# KiCad board board_delta.kicad_pcb
title: VST104 Board Sierra; date: 2020-08-12; rev: v1.1; company: VisionSpace Technologies; note: Single MCU on-board computer
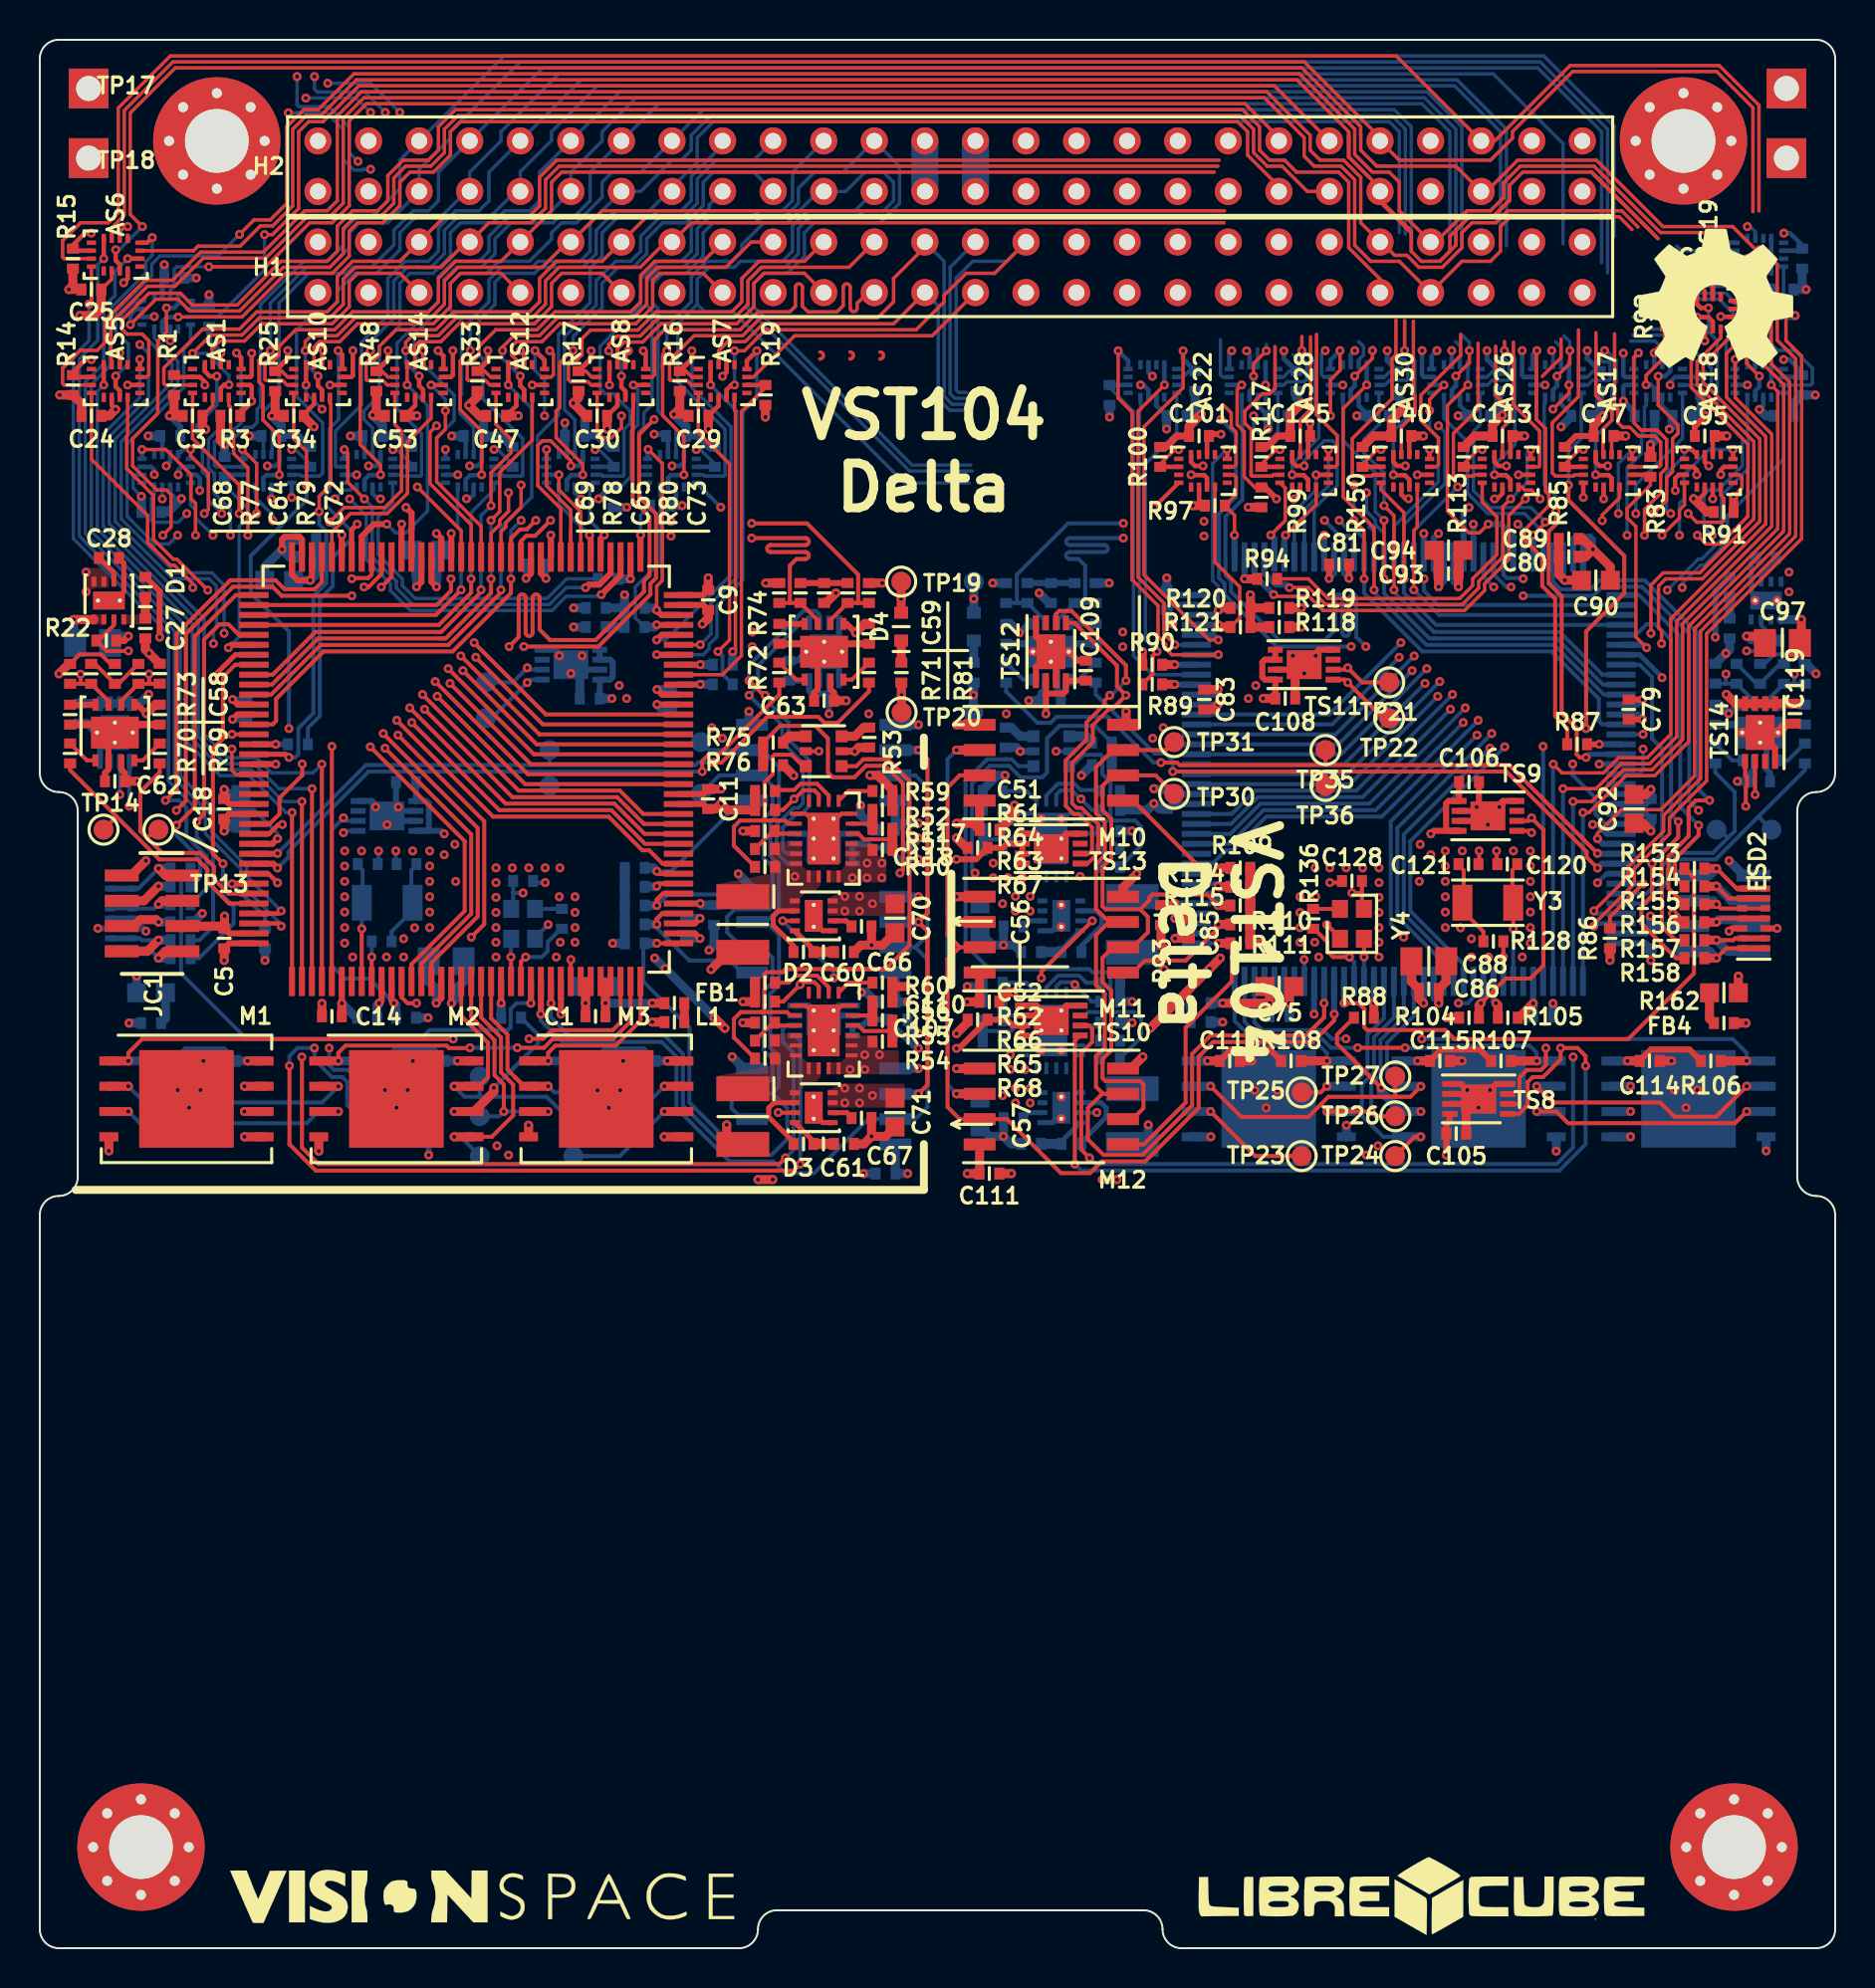
[diagram p0: board, top side]
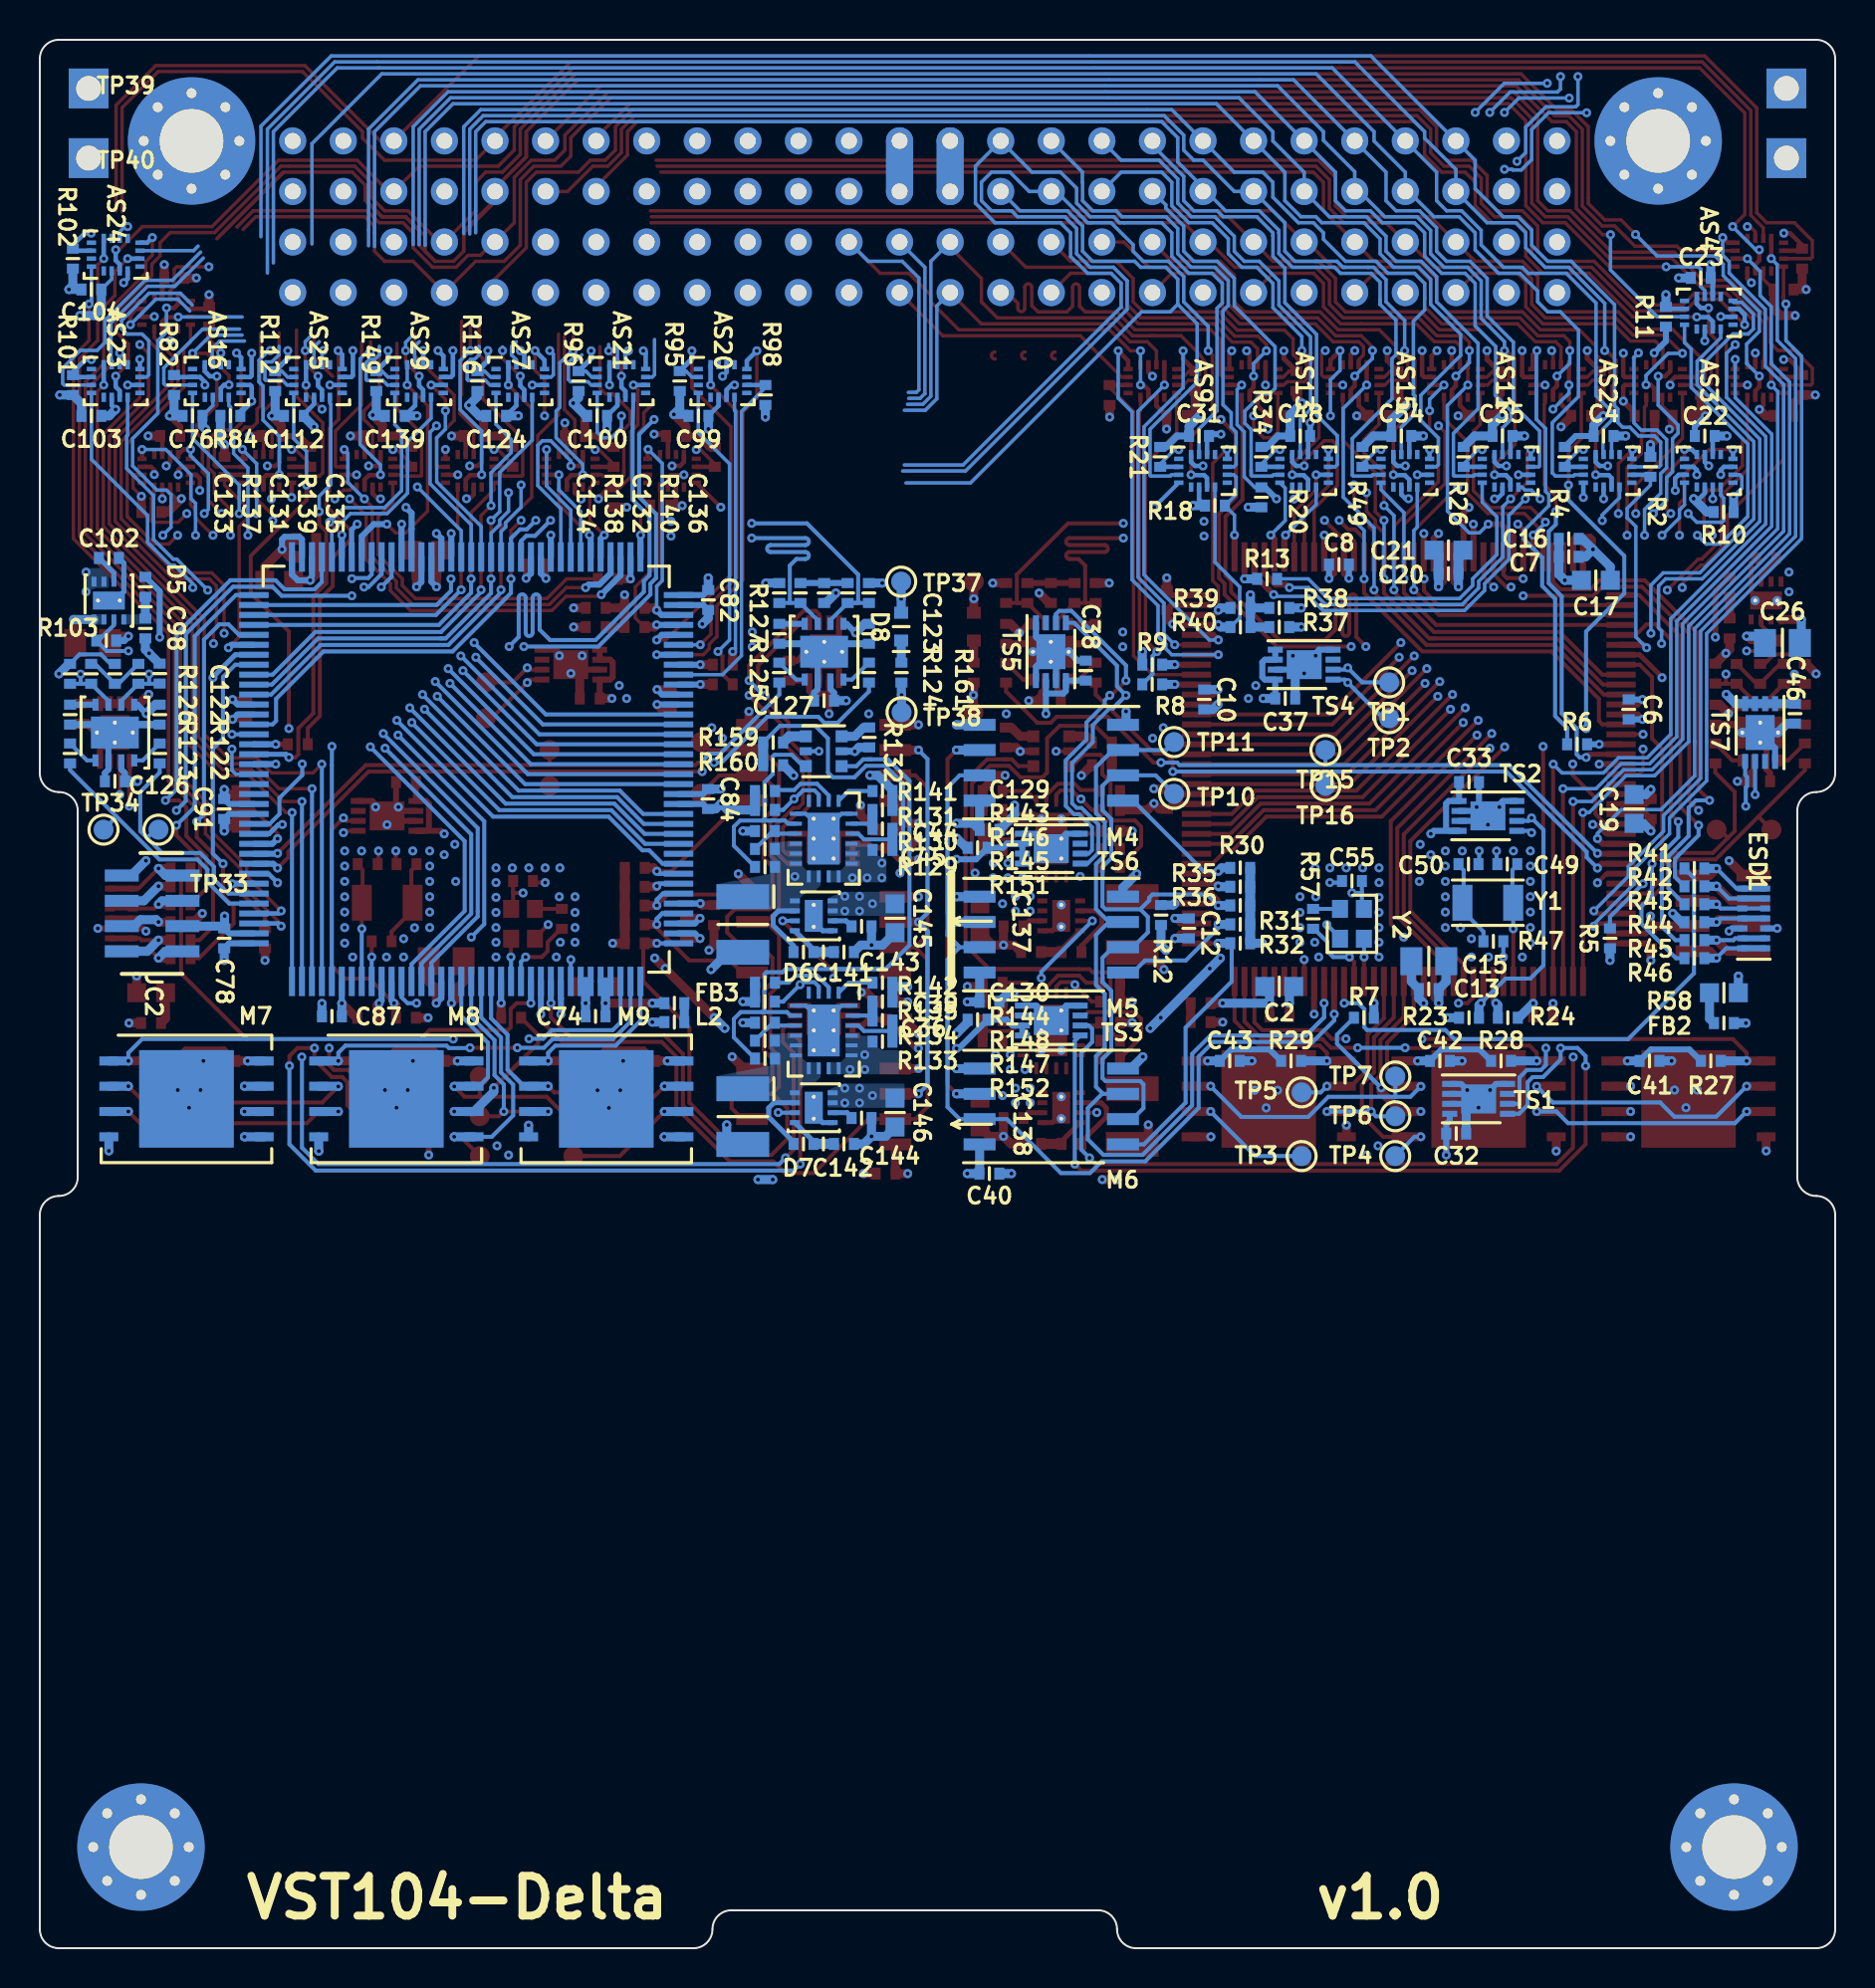
[diagram p1: board, bottom side, seen from below]

Outline 90.17 x 95.89 mm; copper layers: Top, In1.Cu (plane), In2.Cu, In3.Cu (plane), In4.Cu (plane), Bottom. Coordinates in mm from the lower left corner of the outline.
Outline path: 0,94.93 0,59.04 arc(0.28,58.37) 0.95,58.09 arc(1.63,57.81) 1.91,57.14 1.91,38.75 arc(1.63,38.07) 0.95,37.8 arc(0.28,37.52) 0,36.84 0,0.95 arc(0.28,0.28) 0.95,0 35.12,0 arc(35.79,0.28) 36.07,0.95 arc(36.35,1.63) 37.02,1.91 55.44,1.91 arc(56.11,1.63) 56.39,0.95 arc(56.67,0.28) 57.34,0 89.22,0 arc(89.89,0.28) 90.17,0.95 90.17,36.84 arc(89.89,37.52) 89.22,37.8 arc(88.54,38.07) 88.27,38.75 88.27,57.14 arc(88.54,57.81) 89.22,58.09 arc(89.89,58.37) 90.17,59.04 90.17,94.93 arc(89.89,95.61) 89.22,95.89 0.95,95.89 arc(0.28,95.61) 0,94.93

## Placement (name value [footprint] x y rotation side)
AS1  DGQ2788A  [mini_QFN-16-1.8x2.6mm]  8.89 78.74 270 top
AS2  DGQ2788A  [mini_QFN-16-1.8x2.6mm]  11.43 74.23 90 bottom
AS3  DGQ2788A  [mini_QFN-16-1.8x2.6mm]  6.35 74.23 90 bottom
AS4  DGQ2788A  [mini_QFN-16-1.8x2.6mm]  6.35 82.17 90 bottom
AS5  DGQ2788A  [mini_QFN-16-1.8x2.6mm]  3.81 78.74 270 top
AS6  DGQ2788A  [mini_QFN-16-1.8x2.6mm]  3.81 85.09 270 top
AS7  DGQ2788A  [mini_QFN-16-1.8x2.6mm]  34.29 78.74 270 top
AS8  DGQ2788A  [mini_QFN-16-1.8x2.6mm]  29.21 78.74 270 top
AS9  DGQ2788A  [mini_QFN-16-1.8x2.6mm]  31.75 74.23 90 bottom
AS10  DGQ2788A  [mini_QFN-16-1.8x2.6mm]  13.97 78.74 270 top
AS11  DGQ2788A  [mini_QFN-16-1.8x2.6mm]  16.51 74.23 90 bottom
AS12  DGQ2788A  [mini_QFN-16-1.8x2.6mm]  24.13 78.74 270 top
AS13  DGQ2788A  [mini_QFN-16-1.8x2.6mm]  26.67 74.23 90 bottom
AS14  DGQ2788A  [mini_QFN-16-1.8x2.6mm]  19.05 78.74 270 top
AS15  DGQ2788A  [mini_QFN-16-1.8x2.6mm]  21.59 74.23 90 bottom
AS16  DGQ2788A  [mini_QFN-16-1.8x2.6mm]  81.28 78.74 270 bottom
AS17  DGQ2788A  [mini_QFN-16-1.8x2.6mm]  78.74 74.23 90 top
AS18  DGQ2788A  [mini_QFN-16-1.8x2.6mm]  83.82 74.23 90 top
AS19  DGQ2788A  [mini_QFN-16-1.8x2.6mm]  83.82 82.17 90 top
AS20  DGQ2788A  [mini_QFN-16-1.8x2.6mm]  55.88 78.74 270 bottom
AS21  DGQ2788A  [mini_QFN-16-1.8x2.6mm]  60.96 78.74 270 bottom
AS22  DGQ2788A  [mini_QFN-16-1.8x2.6mm]  58.42 74.23 90 top
AS23  DGQ2788A  [mini_QFN-16-1.8x2.6mm]  86.36 78.74 270 bottom
AS24  DGQ2788A  [mini_QFN-16-1.8x2.6mm]  86.36 85.09 270 bottom
AS25  DGQ2788A  [mini_QFN-16-1.8x2.6mm]  76.2 78.74 270 bottom
AS26  DGQ2788A  [mini_QFN-16-1.8x2.6mm]  73.66 74.23 90 top
AS27  DGQ2788A  [mini_QFN-16-1.8x2.6mm]  66.04 78.74 270 bottom
AS28  DGQ2788A  [mini_QFN-16-1.8x2.6mm]  63.5 74.23 90 top
AS29  DGQ2788A  [mini_QFN-16-1.8x2.6mm]  71.12 78.74 270 bottom
AS30  DGQ2788A  [mini_QFN-16-1.8x2.6mm]  68.58 74.23 90 top
C1  100n  [C_SMD_0402]  27.91 46.82 0 top
C2  1u  [C_SMD_0603]  27.92 48.32 0 bottom
C3  10n  [C_SMD_0402]  7.67 76.99 0 top
C4  10n  [C_SMD_0402]  11.63 75.98 180 bottom
C5  100n  [C_SMD_0402]  9.26 50.74 270 top
C6  100n  [C_SMD_0402]  10.37 62.24 270 bottom
C7  100n  [C_SMD_0402]  13.38 69.91 0 bottom
C8  100n  [C_SMD_0402]  24.92 69.52 180 bottom
C9  100n  [C_SMD_0402]  33.57 67.74 90 top
C10  100n  [C_SMD_0402]  31.69 62.74 90 bottom
C11  100n  [C_SMD_0402]  33.56 57.74 90 top
C12  100n  [C_SMD_0402]  32.46 51.24 90 bottom
C13  100n  [C_SMD_0402]  20.41 48.19 0 bottom
C14  100n  [C_SMD_0402]  14.67 46.82 0 top
C15  10u  [C_SMD_0805]  20.41 49.59 180 bottom
C16  100n  [C_SMD_0402]  13.38 70.81 0 bottom
C17  1u  [C_SMD_0603]  12.02 68.73 0 bottom
C18  100n  [C_SMD_0402]  9.26 57.24 270 top
C19  4u7  [C_SMD_0603]  10.1 57.24 270 bottom
C20  100n  [C_SMD_0402]  19.42 69.06 180 bottom
C21  4u7  [C_SMD_0603]  19.42 70.24 180 bottom
C22  10n  [C_SMD_0402]  6.55 75.98 180 bottom
C23  10n  [C_SMD_0402]  6.75 83.92 180 bottom
C24  10n  [C_SMD_0402]  2.59 76.99 0 top
C25  10n  [C_SMD_0402]  2.59 83.34 0 top
C26  10u  [C_SMD_0805]  2.65 65.58 180 bottom
C27  100n  [C_SMD_0402]  5.3 66.31 270 top
C28  1n  [C_SMD_0402]  3.47 69.85 0 top
C29  10n  [C_SMD_0402]  33.08 76.99 0 top
C30  10n  [C_SMD_0402]  27.99 76.99 0 top
C31  10n  [C_SMD_0402]  31.95 75.98 180 bottom
C32  100n  [C_SMD_0402]  19.03 40.93 180 bottom
C33  100n  [C_SMD_0402]  18.39 58.59 180 bottom
C34  10n  [C_SMD_0402]  12.76 76.99 0 top
C35  10n  [C_SMD_0402]  16.71 75.98 180 bottom
C36  100n  [C_SMD_0402]  43.07 46.65 0 bottom
C37  100n  [C_SMD_0402]  27.62 62.79 0 bottom
C38  100n  [C_SMD_0402]  37.64 64.19 90 bottom
C39  100n  [C_SMD_0402]  42.48 47.55 180 bottom
C40  100n  [C_SMD_0402]  42.48 38.92 180 bottom
C41  100n  [C_SMD_0402]  9.33 44.58 180 bottom
C42  100n  [C_SMD_0402]  19.85 44.58 180 bottom
C43  100n  [C_SMD_0402]  30.41 44.58 180 bottom
C44  100n  [C_SMD_0402]  42.47 56.19 180 bottom
C45  100n  [C_SMD_0402]  43.07 55.29 0 bottom
C46  100n  [C_SMD_0402]  2.02 62.03 270 bottom
C47  10n  [C_SMD_0402]  22.92 76.99 0 top
C48  10n  [C_SMD_0402]  26.87 75.98 180 bottom
C49  17p  [C_SMD_0402]  16.47 54.47 0 bottom
C50  17p  [C_SMD_0402]  18.42 54.47 0 bottom
C51  22n  [C_SMD_0402]  36.42 58.14 180 top
C52  15n  [C_SMD_0402]  36.42 48.51 180 top
C53  10n  [C_SMD_0402]  17.83 76.99 0 top
C54  10n  [C_SMD_0402]  21.79 75.98 180 bottom
C55  100n  [C_SMD_0402]  24.27 53.62 180 bottom
C56  100u  [C_SMD_1210]  35.31 51.44 270 top
C57  100u  [C_SMD_1210]  35.31 41.78 270 top
C58  100n  [C_SMD_0402]  6.02 61.98 90 top
C59  100n  [C_SMD_0402]  41.64 66.04 90 top
C60  100n  [C_SMD_0402]  40.39 50.05 0 top
C61  100n  [C_SMD_0402]  40.39 40.41 0 top
C62  100n  [C_SMD_0402]  3.77 58.63 0 top
C63  100n  [C_SMD_0402]  39.39 62.68 0 top
C64  4n7  [C_SMD_0402]  3.77 64.03 270 top
C65  4n7  [C_SMD_0402]  39.39 68.09 90 top
C66  1n  [C_SMD_0402]  41.27 51.34 0 top
C67  1n  [C_SMD_0402]  41.27 41.71 0 top
C68  100p  [C_SMD_0402]  1.52 64.03 270 top
C69  100p  [C_SMD_0402]  37.14 68.09 270 top
C70  1u  [C_SMD_0603]  42.95 51.75 90 top
C71  1u  [C_SMD_0603]  42.95 41.98 90 top
C72  100p  [C_SMD_0402]  6.02 64.04 270 top
C73  100p  [C_SMD_0402]  41.64 68.09 270 top
C74  100n  [C_SMD_0402]  62.26 46.82 180 bottom
C75  1u  [C_SMD_0603]  62.25 48.32 180 top
C76  10n  [C_SMD_0402]  82.5 76.99 180 bottom
C77  10n  [C_SMD_0402]  78.54 75.98 0 top
C78  100n  [C_SMD_0402]  80.91 50.74 270 bottom
C79  100n  [C_SMD_0402]  79.8 62.24 270 top
C80  100n  [C_SMD_0402]  76.79 69.91 180 top
C81  100n  [C_SMD_0402]  65.25 69.52 0 top
C82  100n  [C_SMD_0402]  56.6 67.74 90 bottom
C83  100n  [C_SMD_0402]  58.48 62.74 90 top
C84  100n  [C_SMD_0402]  56.61 57.74 90 bottom
C85  100n  [C_SMD_0402]  57.71 51.24 90 top
C86  100n  [C_SMD_0402]  69.76 48.19 180 top
C87  100n  [C_SMD_0402]  75.5 46.82 180 bottom
C88  10u  [C_SMD_0805]  69.76 49.59 0 top
C89  100n  [C_SMD_0402]  76.79 70.81 180 top
C90  1u  [C_SMD_0603]  78.15 68.73 180 top
C91  100n  [C_SMD_0402]  80.91 57.24 270 bottom
C92  4u7  [C_SMD_0603]  80.07 57.24 270 top
C93  100n  [C_SMD_0402]  70.75 69.06 0 top
C94  4u7  [C_SMD_0603]  70.75 70.24 0 top
C95  10n  [C_SMD_0402]  83.62 75.98 0 top
C96  10n  [C_SMD_0402]  83.42 83.92 0 top
C97  10u  [C_SMD_0805]  87.52 65.58 0 top
C98  100n  [C_SMD_0402]  84.87 66.31 270 bottom
C99  10n  [C_SMD_0402]  57.09 76.99 180 bottom
C100  10n  [C_SMD_0402]  62.18 76.99 180 bottom
C101  10n  [C_SMD_0402]  58.22 75.98 0 top
C102  1n  [C_SMD_0402]  86.7 69.85 180 bottom
C103  10n  [C_SMD_0402]  87.58 76.99 180 bottom
C104  10n  [C_SMD_0402]  87.58 83.34 180 bottom
C105  100n  [C_SMD_0402]  71.14 40.93 0 top
C106  100n  [C_SMD_0402]  71.78 58.59 0 top
C107  100n  [C_SMD_0402]  47.1 46.65 180 top
C108  100n  [C_SMD_0402]  62.55 62.79 180 top
C109  100n  [C_SMD_0402]  52.53 64.19 90 top
C110  100n  [C_SMD_0402]  47.69 47.55 0 top
C111  100n  [C_SMD_0402]  47.69 38.92 0 top
C112  10n  [C_SMD_0402]  77.41 76.99 180 bottom
C113  10n  [C_SMD_0402]  73.46 75.98 0 top
C114  100n  [C_SMD_0402]  80.84 44.58 0 top
C115  100n  [C_SMD_0402]  70.32 44.58 0 top
C116  100n  [C_SMD_0402]  59.76 44.58 0 top
C117  100n  [C_SMD_0402]  47.7 56.19 0 top
C118  100n  [C_SMD_0402]  47.1 55.29 180 top
C119  100n  [C_SMD_0402]  88.15 62.03 270 top
C120  17p  [C_SMD_0402]  73.7 54.47 180 top
C121  17p  [C_SMD_0402]  71.75 54.47 180 top
C122  100n  [C_SMD_0402]  84.15 61.98 90 bottom
C123  100n  [C_SMD_0402]  48.53 66.04 90 bottom
C124  10n  [C_SMD_0402]  67.25 76.99 180 bottom
C125  10n  [C_SMD_0402]  63.3 75.98 0 top
C126  100n  [C_SMD_0402]  86.4 58.63 180 bottom
C127  100n  [C_SMD_0402]  50.78 62.68 180 bottom
C128  100n  [C_SMD_0402]  65.9 53.62 0 top
C129  22n  [C_SMD_0402]  53.75 58.14 0 bottom
C130  15n  [C_SMD_0402]  53.75 48.51 0 bottom
C131  4n7  [C_SMD_0402]  86.4 64.03 270 bottom
C132  4n7  [C_SMD_0402]  50.78 68.09 90 bottom
C133  100p  [C_SMD_0402]  88.65 64.03 270 bottom
C134  100p  [C_SMD_0402]  53.03 68.09 270 bottom
C135  100p  [C_SMD_0402]  84.15 64.04 270 bottom
C136  100p  [C_SMD_0402]  48.53 68.09 270 bottom
C137  100u  [C_SMD_1210]  54.86 51.44 270 bottom
C138  100u  [C_SMD_1210]  54.86 41.78 270 bottom
C139  10n  [C_SMD_0402]  72.34 76.99 180 bottom
C140  10n  [C_SMD_0402]  68.38 75.98 0 top
C141  100n  [C_SMD_0402]  49.78 50.05 180 bottom
C142  100n  [C_SMD_0402]  49.78 40.41 180 bottom
C143  1n  [C_SMD_0402]  48.9 51.34 180 bottom
C144  1n  [C_SMD_0402]  48.9 41.71 180 bottom
C145  1u  [C_SMD_0603]  47.22 51.75 90 bottom
C146  1u  [C_SMD_0603]  47.22 41.98 90 bottom
D1  CDBQR40  [D_SMD_0402]  5.3 68.4 90 top
D2  CDBQR40  [D_SMD_0402]  38.35 50.05 180 top
D3  CDBQR40  [D_SMD_0402]  38.35 40.41 180 top
D4  BZT52C3V3TQ-7-F  [D_SOD-523_1.2x0.8mm]  43.26 66.4 90 top
D5  CDBQR40  [D_SMD_0402]  84.87 68.4 90 bottom
D6  CDBQR40  [D_SMD_0402]  51.82 50.05 0 bottom
D7  CDBQR40  [D_SMD_0402]  51.82 40.41 0 bottom
D8  BZT52C3V3TQ-7-F  [D_SOD-523_1.2x0.8mm]  46.91 66.4 90 bottom
EF1  TPS25940-Q1  [WQFN-20_4.0x3.0mm_EPV]  39.37 55.75 0 top
EF2  TPS25940-Q1  [WQFN-20_4.0x3.0mm_EPV]  39.37 46.11 0 top
EF3  TPS25940-Q1  [WQFN-20_4.0x3.0mm_EPV]  50.8 55.75 180 bottom
EF4  TPS25940-Q1  [WQFN-20_4.0x3.0mm_EPV]  50.8 46.11 180 bottom
ESD1  SP3012-06  [µDFN-14_3.5x1.35mm]  4.09 51.74 270 bottom
ESD2  SP3012-06  [µDFN-14_3.5x1.35mm]  86.08 51.74 270 top
FB1  120 @ 100M  [R_SMD_0402]  31.87 47.48 180 top
FB2  120 @ 100M  [R_SMD_0402]  5.59 46.48 180 bottom
FB3  120 @ 100M  [R_SMD_0402]  58.3 47.48 0 bottom
FB4  120 @ 100M  [R_SMD_0402]  84.58 46.48 0 top
H1  Conn_02x26_Odd_Even  [ESQ-126-39-x-D]  13.97 83.19 0 top
H2  Conn_02x26_Odd_Even  [ESQ-126-39-x-D]  13.97 88.27 0 top
JC1  SW&UART  [CLP-104-02-x-D]  5.64 51.99 270 top
JC2  SW&UART  [CLP-104-02-x-D]  84.53 51.99 270 bottom
L1  10u  [L_SMD_0402]  31.87 46.53 0 top
L2  10u  [L_SMD_0402]  58.3 46.53 180 bottom
LG1  74LVC1G11-Q100  [SOT-363_TSSOP-6_2.0x1.25mm]  39.37 60.14 180 top
LG2  74LVC1G11-Q100  [SOT-363_TSSOP-6_2.0x1.25mm]  50.8 60.14 0 bottom
LOGO1  logo  [VST_logo_horizontal_700]  22.2 2.6 0 top
LOGO2  logo  [LibreCube_logo_22.4mm]  69.4 2.6 0 top
LOGO3  logo  [OSH_logo_8mm]  84.2 82.8 0 top
M1  S25FL256L  [WSON-8_6.0x8.0mm_EP]  7.37 42.67 0 top
M2  S25FL256L  [WSON-8_6.0x8.0mm_EP]  17.91 42.67 0 top
M3  S25FL256L  [WSON-8_6.0x8.0mm_EP]  28.45 42.67 0 top
M4  CY15B102Q  [SOIC-8_208_5.23x5.23mm]  39.37 59.56 0 bottom
M5  CY15B102Q  [SOIC-8_208_5.23x5.23mm]  39.37 50.93 0 bottom
M6  CY15B102Q  [SOIC-8_208_5.23x5.23mm]  39.37 42.29 0 bottom
M7  S25FL256L  [WSON-8_6.0x8.0mm_EP]  82.8 42.67 180 bottom
M8  S25FL256L  [WSON-8_6.0x8.0mm_EP]  72.26 42.67 180 bottom
M9  S25FL256L  [WSON-8_6.0x8.0mm_EP]  61.72 42.67 180 bottom
M10  CY15B102Q  [SOIC-8_208_5.23x5.23mm]  50.8 59.56 180 top
M11  CY15B102Q  [SOIC-8_208_5.23x5.23mm]  50.8 50.93 180 top
M12  CY15B102Q  [SOIC-8_208_5.23x5.23mm]  50.8 42.29 180 top
MH1  MountingHole_Pad  [MountingHole_3.2mm_M3_Pad_Via]  8.89 90.81 0 top
MH2  MountingHole_Pad  [MountingHole_3.2mm_M3_Pad_Via]  82.55 90.81 0 top
MH3  MountingHole_Pad  [MountingHole_3.2mm_M3_Pad_Via]  5.08 5.08 0 top
MH4  MountingHole_Pad  [MountingHole_3.2mm_M3_Pad_Via]  85.09 5.08 0 top
Q1  TPS22965-Q1  [WSON-8_2.0x2.0mm_EPV]  3.47 67.71 90 top
Q2  TPS22965-Q1  [WSON-8_2.0x2.0mm_EPV]  38.87 51.87 0 top
Q3  TPS22965-Q1  [WSON-8_2.0x2.0mm_EPV]  38.87 42.23 0 top
Q4  TPS22965-Q1  [WSON-8_2.0x2.0mm_EPV]  86.7 67.71 90 bottom
Q5  TPS22965-Q1  [WSON-8_2.0x2.0mm_EPV]  51.3 51.87 180 bottom
Q6  TPS22965-Q1  [WSON-8_2.0x2.0mm_EPV]  51.3 42.23 180 bottom
R1  100k  [R_SMD_0402]  6.74 78.54 90 top
R2  100k  [R_SMD_0402]  9.28 74.43 90 bottom
R3  100k  [R_SMD_0402]  9.57 76.99 0 top
R4  100k  [R_SMD_0402]  13.58 74.93 90 bottom
R5  22  [R_SMD_0402]  11.31 50.74 270 bottom
R6  22  [R_SMD_0402]  12.96 60.49 0 bottom
R7  22  [R_SMD_0402]  23.67 46.75 0 bottom
R8  22  [R_SMD_0402]  34.3 63.5 0 bottom
R9  22  [R_SMD_0402]  34.3 64.49 0 bottom
R10  100k  [R_SMD_0402]  5.6 72.16 0 bottom
R11  100k  [R_SMD_0402]  8.5 81.97 270 bottom
R12  22  [R_SMD_0402]  33.86 51.91 90 bottom
R13  22  [R_SMD_0402]  28.53 68.8 0 bottom
R14  100k  [R_SMD_0402]  1.66 78.54 270 top
R15  100k  [R_SMD_0402]  1.66 84.89 270 top
R16  100k  [R_SMD_0402]  32.14 78.74 270 top
R17  100k  [R_SMD_0402]  27.06 78.74 270 top
R18  100k  [R_SMD_0402]  31.15 72.48 0 bottom
R19  100k  [R_SMD_0402]  36.44 78.04 270 top
R20  100k  [R_SMD_0402]  28.82 72.9 90 bottom
R21  100k  [R_SMD_0402]  33.9 74.93 90 bottom
R22  100k  [R_SMD_0402]  3.34 65.7 0 top
R23  10k  [R_SMD_0402]  18.39 46.75 180 bottom
R24  10k  [R_SMD_0402]  16.44 46.75 0 bottom
R25  100k  [R_SMD_0402]  11.82 78.74 270 top
R26  100k  [R_SMD_0402]  18.66 74.93 90 bottom
R27  10k  [R_SMD_0402]  6.25 44.58 180 bottom
R28  10k  [R_SMD_0402]  16.78 44.58 180 bottom
R29  10k  [R_SMD_0402]  27.33 44.58 180 bottom
R30  10k  [R_SMD_0402]  29.88 54.28 0 bottom
R31  10k  [R_SMD_0402]  29.88 51.44 0 bottom
R32  10k  [R_SMD_0402]  29.88 50.49 0 bottom
R33  100k  [R_SMD_0402]  21.98 78.74 270 top
R34  100k  [R_SMD_0402]  28.82 74.93 90 bottom
R35  100k  [R_SMD_0402]  29.88 53.33 0 bottom
R36  100k  [R_SMD_0402]  29.88 52.39 0 bottom
R37  4k7  [R_SMD_0402]  27.92 66.38 180 bottom
R38  4k7  [R_SMD_0402]  27.92 67.34 180 bottom
R39  4k7  [R_SMD_0402]  29.87 67.34 0 bottom
R40  4k7  [R_SMD_0402]  29.87 66.38 0 bottom
R41  22  [R_SMD_0402]  7.07 54.25 0 bottom
R42  22  [R_SMD_0402]  7.07 53.35 0 bottom
R43  22  [R_SMD_0402]  7.07 52.45 0 bottom
R44  22  [R_SMD_0402]  7.07 51.55 0 bottom
R45  22  [R_SMD_0402]  7.07 50.65 0 bottom
R46  22  [R_SMD_0402]  7.07 49.74 0 bottom
R47  280k  [R_SMD_0402]  17.17 50.59 180 bottom
R48  100k  [R_SMD_0402]  16.9 78.74 270 top
R49  100k  [R_SMD_0402]  23.74 74.93 90 bottom
R50  280k  [R_SMD_0402]  42.32 55.18 0 top
R51  22k6  [R_SMD_0402]  42.32 56.24 180 top
R52  115k  [R_SMD_0402]  42.32 57.19 0 top
R53  100k  [R_SMD_0402]  41.66 60.83 270 top
R54  280k  [R_SMD_0402]  42.32 45.55 0 top
R55  8k66  [R_SMD_0402]  42.32 46.61 180 top
R56  63k4  [R_SMD_0402]  42.32 47.56 0 top
R57  1k  [R_SMD_0402]  26.22 51.72 90 bottom
R58  100 0.25W  [R_SMD_0603]  5.59 48.01 180 bottom
R59  75k  [R_SMD_0402]  42.32 58.14 180 top
R60  75k  [R_SMD_0402]  42.32 48.51 180 top
R61  33k2  [R_SMD_0402]  36.42 57.19 0 top
R62  33k2  [R_SMD_0402]  36.42 47.56 0 top
R63  110k  [R_SMD_0402]  36.42 55.23 180 top
R64  60k4  [R_SMD_0402]  36.42 56.13 180 top
R65  110k  [R_SMD_0402]  36.42 45.6 180 top
R66  31k6  [R_SMD_0402]  36.42 46.5 180 top
R67  10k  [R_SMD_0402]  36.42 54.33 180 top
R68  10k  [R_SMD_0402]  36.42 44.7 180 top
R69  22  [R_SMD_0402]  6.02 60.03 270 top
R70  22  [R_SMD_0402]  1.52 60.03 270 top
R71  22  [R_SMD_0402]  41.64 64.09 270 top
R72  22  [R_SMD_0402]  37.14 64.09 270 top
R73  10k  [R_SMD_0402]  1.52 61.98 270 top
R74  10k  [R_SMD_0402]  37.14 66.04 270 top
R75  47k  [R_SMD_0402]  36.83 60.58 180 top
R76  56k  [R_SMD_0402]  36.83 59.44 0 top
R77  60.4  [R_SMD_0402]  2.58 64.03 90 top
R78  60.4  [R_SMD_0402]  38.2 68.09 90 top
R79  60.4  [R_SMD_0402]  4.95 64.03 90 top
R80  60.4  [R_SMD_0402]  40.57 68.09 90 top
R81  330  [R_SMD_0402]  43.27 64.09 90 top
R82  100k  [R_SMD_0402]  83.43 78.54 90 bottom
R83  100k  [R_SMD_0402]  80.89 74.43 90 top
R84  100k  [R_SMD_0402]  80.6 76.99 180 bottom
R85  100k  [R_SMD_0402]  76.59 74.93 90 top
R86  22  [R_SMD_0402]  78.86 50.74 270 top
R87  22  [R_SMD_0402]  77.21 60.49 180 top
R88  22  [R_SMD_0402]  66.5 46.75 180 top
R89  22  [R_SMD_0402]  55.87 63.5 180 top
R90  22  [R_SMD_0402]  55.87 64.49 180 top
R91  100k  [R_SMD_0402]  84.57 72.16 180 top
R92  100k  [R_SMD_0402]  81.67 81.97 270 top
R93  22  [R_SMD_0402]  56.31 51.91 90 top
R94  22  [R_SMD_0402]  61.64 68.8 180 top
R95  100k  [R_SMD_0402]  58.03 78.74 270 bottom
R96  100k  [R_SMD_0402]  63.11 78.74 270 bottom
R97  100k  [R_SMD_0402]  59.02 72.48 180 top
R98  100k  [R_SMD_0402]  53.73 78.04 270 bottom
R99  100k  [R_SMD_0402]  61.35 72.9 90 top
R100  100k  [R_SMD_0402]  56.27 74.93 90 top
R101  100k  [R_SMD_0402]  88.51 78.54 270 bottom
R102  100k  [R_SMD_0402]  88.51 84.89 270 bottom
R103  100k  [R_SMD_0402]  86.83 65.7 180 bottom
R104  10k  [R_SMD_0402]  71.78 46.75 0 top
R105  10k  [R_SMD_0402]  73.73 46.75 180 top
R106  10k  [R_SMD_0402]  83.92 44.58 0 top
R107  10k  [R_SMD_0402]  73.39 44.58 0 top
R108  10k  [R_SMD_0402]  62.84 44.58 0 top
R109  10k  [R_SMD_0402]  60.29 54.28 180 top
R110  10k  [R_SMD_0402]  60.29 51.44 180 top
R111  10k  [R_SMD_0402]  60.29 50.49 180 top
R112  100k  [R_SMD_0402]  78.35 78.74 270 bottom
R113  100k  [R_SMD_0402]  71.51 74.93 90 top
R114  100k  [R_SMD_0402]  60.29 53.33 180 top
R115  100k  [R_SMD_0402]  60.29 52.39 180 top
R116  100k  [R_SMD_0402]  68.19 78.74 270 bottom
R117  100k  [R_SMD_0402]  61.35 74.93 90 top
R118  4k7  [R_SMD_0402]  62.25 66.38 0 top
R119  4k7  [R_SMD_0402]  62.25 67.34 0 top
R120  4k7  [R_SMD_0402]  60.3 67.34 180 top
R121  4k7  [R_SMD_0402]  60.3 66.38 180 top
R122  22  [R_SMD_0402]  84.15 60.03 270 bottom
R123  22  [R_SMD_0402]  88.65 60.03 270 bottom
R124  22  [R_SMD_0402]  48.53 64.09 270 bottom
R125  22  [R_SMD_0402]  53.03 64.09 270 bottom
R126  10k  [R_SMD_0402]  88.65 61.98 270 bottom
R127  10k  [R_SMD_0402]  53.03 66.04 270 bottom
R128  280k  [R_SMD_0402]  73 50.59 0 top
R129  280k  [R_SMD_0402]  47.85 55.18 180 bottom
R130  22k6  [R_SMD_0402]  47.85 56.24 0 bottom
R131  115k  [R_SMD_0402]  47.85 57.19 180 bottom
R132  100k  [R_SMD_0402]  48.51 60.83 270 bottom
R133  280k  [R_SMD_0402]  47.85 45.55 180 bottom
R134  8k66  [R_SMD_0402]  47.85 46.61 0 bottom
R135  63k4  [R_SMD_0402]  47.85 47.56 180 bottom
R136  1k  [R_SMD_0402]  63.95 51.72 90 top
R137  60.4  [R_SMD_0402]  87.59 64.03 90 bottom
R138  60.4  [R_SMD_0402]  51.97 68.09 90 bottom
R139  60.4  [R_SMD_0402]  85.22 64.03 90 bottom
R140  60.4  [R_SMD_0402]  49.6 68.09 90 bottom